# Altium PCB I2C_Jog_Controller.pcbdoc (part 4 of 6)
Units mm, origin at the board's own origin, x right, y up, seen from the top; angles counter-clockwise.
Board outline 94.01 x 162 mm, 4 copper layers (Top Layer, L1, L2, Bottom Layer), stack 1.606 mm thick; 147 components, 78 nets, 5389 pads, 241 vias.
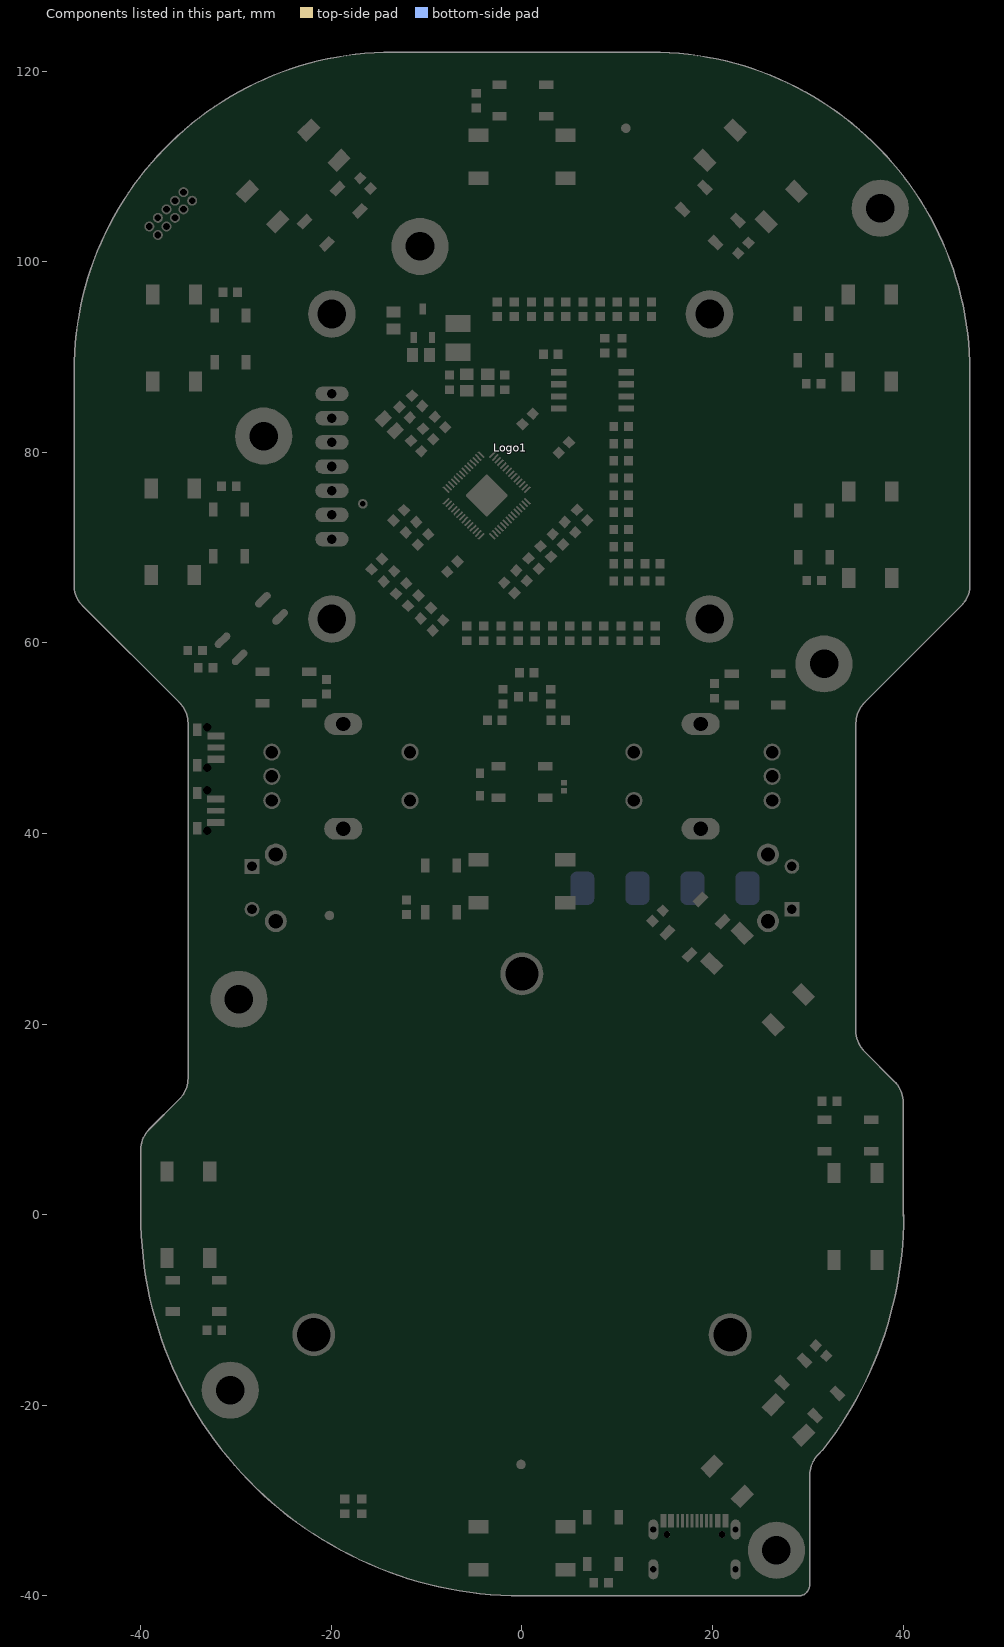
[diagram p6: the components of this part, seen from the top]

## Footprints (in the part's own frame and the unit in brackets; to place one, negate y for a bottom-side part, rotate by r counter-clockwise, add the part's x,y. Pads: shape width x height; smd on the part's side, far side on the other; paste and mask are expansions set on the pad) (continued)
Expatria-Logo [mil] "Expatria DXF logo" (continued)
  round 1.64 on Mech4: 1(-44849.01,-43612.15) 1(-44849.01,-43612.15) 1(-44848.55,-43605.44) 1(-44848.55,-43605.44) 1(-44848.1,-43612.6) 1(-44848.1,-43612.6) 1(-44847.68,-43603.66) 1(-44847.68,-43603.66) 1(-44846.77,-43598.28) 1(-44846.77,-43598.28) 1(-44845.44,-43611.69) 1(-44845.44,-43611.69) 1(-44844.53,-43592.89) 1(-44844.53,-43592.89) 1(-44844.08,-43589.78) 1(-44844.08,-43589.78) 1(-44842.3,-43586.18) 1(-44842.3,-43586.18) 1(-44841.84,-43608.13) 1(-44841.84,-43608.13) 1(-44841.84,-43583.95) 1(-44841.84,-43583.95) 1(-44841.39,-43606.77) 1(-44841.39,-43606.77) 1(-44840.52,-43606.31) 1(-44840.52,-43606.31) 1(-44840.06,-43604.98) 1(-44840.06,-43604.98) 1(-44838.73,-43603.66) 1(-44838.73,-43603.66) 1(-44838.73,-43577.69) 1(-44838.73,-43577.69) 1(-44838.28,-43602.29) 1(-44838.28,-43602.29) 1(-44837.37,-43572.76) 1(-44837.37,-43572.76) 1(-44836.92,-43600.97) 1(-44836.92,-43600.97) 1(-44836.04,-43570.98) 1(-44836.04,-43570.98) 1(-44835.59,-43568.75) 1(-44835.59,-43568.75) 1(-44835.13,-43596.95) 1(-44835.13,-43596.95) 1(-44834.26,-43566.51) 1(-44834.26,-43566.51) 1(-44834.26,-43596.49) 1(-44834.26,-43596.49) 1(-44833.81,-43595.13) 1(-44833.81,-43595.13) 1(-44833.81,-43564.27) 1(-44833.81,-43564.27) 1(-44832.9,-43594.71) 1(-44832.9,-43594.71) 1(-44832.9,-43418.9) 1(-44832.9,-43418.9) 1(-44832.44,-43593.35) 1(-44832.44,-43593.35) 1(-44832.44,-43408.17) 1(-44832.44,-43408.17) 1(-44831.57,-43431.87) 1(-44831.57,-43431.87) 1(-44831.57,-43406.85) 1(-44831.57,-43406.85) 1(-44831.12,-43559.8) 1(-44831.12,-43559.8) 1(-44831.12,-43592.02) 1(-44831.12,-43592.02) 1(-44830.66,-43557.56) 1(-44830.66,-43557.56) 1(-44830.66,-43433.68) 1(-44830.66,-43433.68) 1(-44830.66,-43590.66) 1(-44830.66,-43590.66) 1(-44830.21,-43437.7) 1(-44830.21,-43437.7) 1(-44830.21,-43406.39) 1(-44830.21,-43406.39) 1(-44829.79,-43407.26) 1(-44829.79,-43407.26) 1(-44829.33,-43589.33) 1(-44829.33,-43589.33) 1(-44828.88,-43407.26) 1(-44828.88,-43407.26) 1(-44828.88,-43441.72) 1(-44828.88,-43441.72) 1(-44827.97,-43552.64) 1(-44827.97,-43552.64) 1(-44827.55,-43585.31) 1(-44827.55,-43585.31) 1(-44827.55,-43550.4) 1(-44827.55,-43550.4) 1(-44826.64,-43410.41) 1(-44826.64,-43410.41) 1(-44826.64,-43454.23) 1(-44826.64,-43454.23) 1(-44826.19,-43583.95) 1(-44826.19,-43583.95) 1(-44825.73,-43582.62) 1(-44825.73,-43582.62) 1(-44825.73,-43412.65) 1(-44825.73,-43412.65) 1(-44825.31,-43412.65) 1(-44825.31,-43412.65) 1(-44824.41,-43581.29) 1(-44824.41,-43581.29) 1(-44824.41,-43460.52) 1(-44824.41,-43460.52) 1(-44823.95,-43579.93) 1(-44823.95,-43579.93) 1(-44823.95,-43415.79) 1(-44823.95,-43415.79) 1(-44823.5,-43415.79) 1(-44823.5,-43415.79) 1(-44823.08,-43542.36) 1(-44823.08,-43542.36) 1(-44823.08,-43418.03) 1(-44823.08,-43418.03) 1(-44822.62,-43578.6) 1(-44822.62,-43578.6) 1(-44822.62,-43540.13) 1(-44822.62,-43540.13) 1(-44822.62,-43418.03) 1(-44822.62,-43418.03) 1(-44822.17,-43577.24) 1(-44822.17,-43577.24) 1(-44822.17,-43470.8) 1(-44822.17,-43470.8) 1(-44821.71,-43421.14) 1(-44821.71,-43421.14) 1(-44821.26,-43421.14) 1(-44821.26,-43421.14) 1(-44820.84,-43575.91) 1(-44820.84,-43575.91) 1(-44820.39,-43574.58) 1(-44820.39,-43574.58) 1(-44819.93,-43425.61) 1(-44819.93,-43425.61) 1(-44819.48,-43425.61) 1(-44819.48,-43425.61) 1(-44819.02,-43427.85) 1(-44819.02,-43427.85) 1(-44818.6,-43427.85) 1(-44818.6,-43427.85) 1(-44817.7,-43570.98) 1(-44817.7,-43570.98) 1(-44817.24,-43431.87) 1(-44817.24,-43431.87) 1(-44817.24,-43569.65) 1(-44817.24,-43569.65) 1(-44817.24,-43529.85) 1(-44817.24,-43529.85) 1(-44816.79,-43431.87) 1(-44816.79,-43431.87) 1(-44816.37,-43486.91) 1(-44816.37,-43486.91) 1(-44816.37,-43434.1) 1(-44816.37,-43434.1) 1(-44815.91,-43490.02) 1(-44815.91,-43490.02) 1(-44815.91,-43434.1) 1(-44815.91,-43434.1) 1(-44815.46,-43436.34) 1(-44815.46,-43436.34) 1(-44815.01,-43566.51) 1(-44815.01,-43566.51) 1(-44815.01,-43526.71) 1(-44815.01,-43526.71) 1(-44815.01,-43436.34) 1(-44815.01,-43436.34) 1(-44814.55,-43438.58) 1(-44814.55,-43438.58) 1(-44814.55,-43492.71) 1(-44814.55,-43492.71) 1(-44814.13,-43564.27) 1(-44814.13,-43564.27) 1(-44814.13,-43524.47) 1(-44814.13,-43524.47) 1(-44814.13,-43438.58) 1(-44814.13,-43438.58) 1(-44814.13,-43495.85) 1(-44814.13,-43495.85) 1(-44813.22,-43563.82) 1(-44813.22,-43563.82) 1(-44813.22,-43442.17) 1(-44813.22,-43442.17) 1(-44812.77,-43562.49) 1(-44812.77,-43562.49) 1(-44812.77,-43442.17) 1(-44812.77,-43442.17) 1(-44812.31,-43444.41) 1(-44812.31,-43444.41) 1(-44811.9,-43444.41) 1(-44811.9,-43444.41) 1(-44811.44,-43561.16) 1(-44811.44,-43561.16) 1(-44811.44,-43502.56) 1(-44811.44,-43502.56) 1(-44811.44,-43446.65) 1(-44811.44,-43446.65) 1(-44810.99,-43518.67) 1(-44810.99,-43518.67) 1(-44810.99,-43504.8) 1(-44810.99,-43504.8) 1(-44810.99,-43559.8) 1(-44810.99,-43559.8) 1(-44810.99,-43446.65) 1(-44810.99,-43446.65) 1(-44810.53,-43448.89) 1(-44810.53,-43448.89) 1(-44810.08,-43448.89) 1(-44810.08,-43448.89) 1(-44809.66,-43451.12) 1(-44809.66,-43451.12) 1(-44809.2,-43451.12) 1(-44809.2,-43451.12) 1(-44809.2,-43558.02) 1(-44809.2,-43558.02) 1(-44809.2,-43508.36) 1(-44809.2,-43508.36) 1(-44808.75,-43556.69) 1(-44808.75,-43556.69) 1(-44808.75,-43453.36) 1(-44808.75,-43453.36) 1(-44808.75,-43515.52) 1(-44808.75,-43515.52) 1(-44808.75,-43510.6) 1(-44808.75,-43510.6) 1(-44808.3,-43453.36) 1(-44808.3,-43453.36) 1(-44807.84,-43513.29) 1(-44807.84,-43513.29) 1(-44807.42,-43555.33) 1(-44807.42,-43555.33) 1(-44807.42,-43512.83) 1(-44807.42,-43512.83) 1(-44807.42,-43456.47) 1(-44807.42,-43456.47) 1(-44806.97,-43456.47) 1(-44806.97,-43456.47) 1(-44806.97,-43554) 1(-44806.97,-43554) 1(-44806.51,-43458.7) 1(-44806.51,-43458.7) 1(-44806.06,-43458.7) 1(-44806.06,-43458.7) 1(-44805.6,-43552.64) 1(-44805.6,-43552.64) 1(-44805.19,-43461.85) 1(-44805.19,-43461.85) 1(-44804.73,-43550.4) 1(-44804.73,-43550.4) 1(-44804.73,-43461.85) 1(-44804.73,-43461.85) 1(-44803.82,-43549.98) 1(-44803.82,-43549.98) 1(-44803.37,-43548.62) 1(-44803.37,-43548.62) 1(-44802.95,-43465.41) 1(-44802.95,-43465.41) 1(-44801.59,-43546.84) 1(-44801.59,-43546.84) 1(-44801.13,-43471.7) 1(-44801.13,-43471.7) 1(-44801.13,-43545.51) 1(-44801.13,-43545.51) 1(-44800.71,-43471.7) 1(-44800.71,-43471.7) 1(-44800.26,-43545.05) 1(-44800.26,-43545.05) 1(-44800.26,-43473.94) 1(-44800.26,-43473.94) 1(-44799.81,-43543.69) 1(-44799.81,-43543.69) 1(-44799.8,-43473.94) 1(-44799.8,-43473.94) 1(-44798.9,-43543.27) 1(-44798.9,-43543.27) 1(-44798.48,-43541.91) 1(-44798.48,-43541.91) 1(-44797.57,-43541.45) 1(-44797.57,-43541.45) 1(-44797.11,-43540.13) 1(-44797.11,-43540.13) 1(-44795.79,-43539.22) 1(-44795.79,-43539.22) 1(-44794.88,-43483.76) 1(-44794.88,-43483.76) 1(-44794.42,-43486) 1(-44794.42,-43486) 1(-44794,-43486) 1(-44794,-43486) 1(-44793.1,-43488.69) 1(-44793.1,-43488.69) 1(-44791.77,-43546.84) 1(-44791.77,-43546.84) 1(-44790.4,-43486) 1(-44790.4,-43486) 1(-44789.95,-43484.67) 1(-44789.95,-43484.67) 1(-44788.17,-43481.52) 1(-44788.17,-43481.52) 1(-44786.84,-43480.2) 1(-44786.84,-43480.2) 1(-44786.39,-43478.83) 1(-44786.39,-43478.83) 1(-44785.48,-43558.93) 1(-44785.48,-43558.93) 1(-44785.06,-43560.26) 1(-44785.06,-43560.26) 1(-44784.6,-43477.5) 1(-44784.6,-43477.5) 1(-44784.15,-43476.18) 1(-44784.15,-43476.18) 1(-44783.24,-43475.72) 1(-44783.24,-43475.72) 1(-44782.82,-43474.36) 1(-44782.82,-43474.36) 1(-44782.82,-43563.4) 1(-44782.82,-43563.4) 1(-44782.37,-43564.73) 1(-44782.37,-43564.73) 1(-44781,-43566.06) 1(-44781,-43566.06) 1(-44780.58,-43567.42) 1(-44780.58,-43567.42) 1(-44780.13,-43471.7) 1(-44780.13,-43471.7) 1(-44779.68,-43470.34) 1(-44779.68,-43470.34) 1(-44779.22,-43568.75) 1(-44779.22,-43568.75) 1(-44778.77,-43570.11) 1(-44778.77,-43570.11) 1(-44778.35,-43516.85) 1(-44778.35,-43516.85) 1(-44777.89,-43570.53) 1(-44777.89,-43570.53) 1(-44777.89,-43516.85) 1(-44777.89,-43516.85) 1(-44777.89,-43467.23) 1(-44777.89,-43467.23) 1(-44777.44,-43571.89) 1(-44777.44,-43571.89) 1(-44776.99,-43519.09) 1(-44776.99,-43519.09) 1(-44776.53,-43519.09) 1(-44776.53,-43519.09) 1(-44776.11,-43514.62) 1(-44776.11,-43514.62) 1(-44776.11,-43465.87) 1(-44776.11,-43465.87) 1(-44775.66,-43513.29) 1(-44775.66,-43513.29) 1(-44775.66,-43464.54) 1(-44775.66,-43464.54) 1(-44775.2,-43522.23) 1(-44775.2,-43522.23) 1(-44775.2,-43575) 1(-44775.2,-43575) 1(-44774.75,-43576.37) 1(-44774.75,-43576.37) 1(-44774.75,-43522.23) 1(-44774.75,-43522.23) 1(-44773.88,-43524.47) 1(-44773.88,-43524.47) 1(-44773.88,-43511.96) 1(-44773.88,-43511.96) 1(-44773.42,-43577.69) 1(-44773.42,-43577.69) 1(-44773.42,-43524.47) 1(-44773.42,-43524.47) 1(-44773.42,-43510.6) 1(-44773.42,-43510.6) 1(-44772.97,-43579.06) 1(-44772.97,-43579.06) 1(-44772.51,-43526.71) 1(-44772.51,-43526.71) 1(-44772.06,-43526.71) 1(-44772.06,-43526.71) 1(-44771.64,-43580.38) 1(-44771.64,-43580.38) 1(-44771.64,-43509.27) 1(-44771.64,-43509.27) 1(-44771.18,-43581.71) 1(-44771.18,-43581.71) 1(-44771.18,-43507.91) 1(-44771.18,-43507.91) 1(-44771.18,-43460.52) 1(-44771.18,-43460.52) 1(-44771.18,-43528.94) 1(-44771.18,-43528.94) 1(-44770.73,-43459.16) 1(-44770.73,-43459.16) 1(-44770.73,-43528.94) 1(-44770.73,-43528.94) 1(-44770.28,-43582.17) 1(-44770.28,-43582.17) 1(-44769.82,-43583.53) 1(-44769.82,-43583.53) 1(-44769.82,-43531.18) 1(-44769.82,-43531.18) 1(-44769.4,-43531.18) 1(-44769.4,-43531.18) 1(-44768.95,-43583.95) 1(-44768.95,-43583.95) 1(-44768.95,-43532.51) 1(-44768.95,-43532.51) 1(-44768.95,-43506.13) 1(-44768.95,-43506.13) 1(-44768.95,-43457.83) 1(-44768.95,-43457.83) 1(-44768.49,-43532.51) 1(-44768.49,-43532.51) 1(-44768.49,-43456.47) 1(-44768.49,-43456.47) 1(-44768.49,-43585.31) 1(-44768.49,-43585.31) 1(-44768.49,-43504.8) 1(-44768.49,-43504.8) 1(-44768.04,-43533.87) 1(-44768.04,-43533.87) 1(-44767.59,-43533.87) 1(-44767.59,-43533.87) 1(-44767.59,-43585.76) 1(-44767.59,-43585.76) 1(-44767.17,-43535.2) 1(-44767.17,-43535.2) 1(-44767.17,-43587.09) 1(-44767.17,-43587.09) 1(-44766.71,-43535.2) 1(-44766.71,-43535.2) 1(-44766.71,-43455.14) 1(-44766.71,-43455.14) 1(-44766.26,-43536.56) 1(-44766.26,-43536.56) 1(-44766.26,-43453.81) 1(-44766.26,-43453.81) 1(-44765.8,-43588) 1(-44765.8,-43588) 1(-44765.8,-43536.56) 1(-44765.8,-43536.56) 1(-44765.35,-43589.33) 1(-44765.35,-43589.33) 1(-44765.35,-43537.89) 1(-44765.35,-43537.89) 1(-44764.93,-43537.89) 1(-44764.93,-43537.89) 1(-44764.02,-43451.99) 1(-44764.02,-43451.99) 1(-44763.57,-43590.66) 1(-44763.57,-43590.66) 1(-44763.57,-43450.67) 1(-44763.57,-43450.67) 1(-44763.11,-43592.02) 1(-44763.11,-43592.02) 1(-44763.11,-43541.04) 1(-44763.11,-43541.04) 1(-44762.69,-43541.04) 1(-44762.69,-43541.04) 1(-44761.78,-43542.82) 1(-44761.78,-43542.82) 1(-44761.33,-43593.35) 1(-44761.33,-43593.35) 1(-44761.33,-43542.82) 1(-44761.33,-43542.82) 1(-44760.88,-43544.15) 1(-44760.88,-43544.15) 1(-44760.88,-43594.71) 1(-44760.88,-43594.71) 1(-44760.46,-43544.15) 1(-44760.46,-43544.15) 1(-44759.55,-43545.93) 1(-44759.55,-43545.93) 1(-44759.09,-43596.04) 1(-44759.09,-43596.04) 1(-44759.09,-43545.93) 1(-44759.09,-43545.93) 1(-44758.64,-43597.37) 1(-44758.64,-43597.37) 1(-44758.64,-43547.29) 1(-44758.64,-43547.29) 1(-44758.22,-43547.29) 1(-44758.22,-43547.29) 1(-44757.31,-43549.07) 1(-44757.31,-43549.07) 1(-44756.86,-43598.73) 1(-44756.86,-43598.73) 1(-44756.86,-43549.07) 1(-44756.86,-43549.07) 1(-44756.4,-43600.06) 1(-44756.4,-43600.06) 1(-44756.4,-43550.4) 1(-44756.4,-43550.4) 1(-44756.4,-43493.16) 1(-44756.4,-43493.16) 1(-44755.98,-43491.83) 1(-44755.98,-43491.83) 1(-44755.98,-43550.4) 1(-44755.98,-43550.4) 1(-44755.07,-43552.22) 1(-44755.07,-43552.22) 1(-44754.62,-43552.22) 1(-44754.62,-43552.22) 1(-44754.17,-43553.55) 1(-44754.17,-43553.55) 1(-44753.75,-43553.55) 1(-44753.75,-43553.55) 1(-44753.75,-43489.6) 1(-44753.75,-43489.6) 1(-44752.84,-43555.33) 1(-44752.84,-43555.33) 1(-44752.38,-43555.33) 1(-44752.38,-43555.33) 1(-44752.38,-43489.14) 1(-44752.38,-43489.14) 1(-44751.06,-43556.69) 1(-44751.06,-43556.69) 1(-44751.06,-43487.36) 1(-44751.06,-43487.36) 1(-44750.6,-43558.02) 1(-44750.6,-43558.02) 1(-44750.15,-43558.02) 1(-44750.15,-43558.02) 1(-44749.69,-43486.91) 1(-44749.69,-43486.91) 1(-44748.36,-43559.8) 1(-44748.36,-43559.8) 1(-44748.36,-43435.47) 1(-44748.36,-43435.47) 1(-44747.91,-43561.16) 1(-44747.91,-43561.16) 1(-44747.46,-43561.16) 1(-44747.46,-43561.16) 1(-44747.04,-43435.01) 1(-44747.04,-43435.01) 1(-44745.22,-43481.98) 1(-44745.22,-43481.98) 1(-44743.89,-43481.52) 1(-44743.89,-43481.52) 1(-44742.98,-43430.54) 1(-44742.98,-43430.54) 1(-44742.98,-43565.64) 1(-44742.98,-43565.64) 1(-44742.56,-43566.96) 1(-44742.56,-43566.96) 1(-44742.56,-43479.74) 1(-44742.56,-43479.74) 1(-44742.11,-43566.97) 1(-44742.11,-43566.97) 1(-44741.66,-43430.08) 1(-44741.66,-43430.08) 1(-44741.2,-43479.29) 1(-44741.2,-43479.29) 1(-44739.87,-43616.62) 1(-44739.87,-43616.62) 1(-44739.87,-43428.3) 1(-44739.87,-43428.3) 1(-44739.42,-43477.05) 1(-44739.42,-43477.05) 1(-44738.51,-43617.08) 1(-44738.51,-43617.08) 1(-44738.51,-43427.85) 1(-44738.51,-43427.85) 1(-44738.09,-43476.59) 1(-44738.09,-43476.59) 1(-44737.18,-43618.86) 1(-44737.18,-43618.86) 1(-44737.18,-43426.07) 1(-44737.18,-43426.07) 1(-44735.86,-43619.31) 1(-44735.86,-43619.31) 1(-44735.86,-43425.61) 1(-44735.86,-43425.61) 1(-44735.4,-43473.94) 1(-44735.4,-43473.94) 1(-44734.04,-43621.55) 1(-44734.04,-43621.55) 1(-44734.04,-43473.49) 1(-44734.04,-43473.49) 1(-44734.04,-43423.37) 1(-44734.04,-43423.37) 1(-44733.62,-43472.58) 1(-44733.62,-43472.58) 1(-44732.71,-43621.97) 1(-44732.71,-43621.97) 1(-44732.71,-43422.92) 1(-44732.71,-43422.92) 1(-44732.25,-43472.12) 1(-44732.25,-43472.12) 1(-44731.38,-43623.79) 1(-44731.38,-43623.79) 1(-44731.38,-43421.14) 1(-44731.38,-43421.14) 1(-44730.47,-43579.06) 1(-44730.47,-43579.06) 1(-44730.02,-43624.21) 1(-44730.02,-43624.21) 1(-44730.02,-43420.68) 1(-44730.02,-43420.68) 1(-44729.57,-43579.06) 1(-44729.57,-43579.06) 1(-44729.57,-43469.47) 1(-44729.57,-43469.47) 1(-44729.15,-43625.57) 1(-44729.15,-43625.57) 1(-44728.24,-43469.01) 1(-44728.24,-43469.01) 1(-44728.24,-43418.9) 1(-44728.24,-43418.9) 1(-44727.78,-43626.02) 1(-44727.78,-43626.02) 1(-44727.78,-43581.29) 1(-44727.78,-43581.29) 1(-44727.33,-43626.89) 1(-44727.33,-43626.89) 1(-44726.91,-43418.45) 1(-44726.91,-43418.45) 1(-44726.91,-43581.29) 1(-44726.91,-43581.29) 1(-44726.45,-43467.23) 1(-44726.45,-43467.23) 1(-44726,-43627.35) 1(-44726,-43627.35) 1(-44725.55,-43628.26) 1(-44725.55,-43628.26) 1(-44725.09,-43466.78) 1(-44725.09,-43466.78) 1(-44725.09,-43416.67) 1(-44725.09,-43416.67) 1(-44724.67,-43583.95) 1(-44724.67,-43583.95) 1(-44724.22,-43628.68) 1(-44724.22,-43628.68) 1(-44723.76,-43583.95) 1(-44723.76,-43583.95) 1(-44723.76,-43416.21) 1(-44723.76,-43416.21) 1(-44723.31,-43464.99) 1(-44723.31,-43464.99) 1(-44722.85,-43630.04) 1(-44722.85,-43630.04) 1(-44721.98,-43464.54) 1(-44721.98,-43464.54) 1(-44721.98,-43414.43) 1(-44721.98,-43414.43) 1(-44721.98,-43586.18) 1(-44721.98,-43586.18) 1(-44721.53,-43630.5) 1(-44721.53,-43630.5) 1(-44721.07,-43586.18) 1(-44721.07,-43586.18) 1(-44720.2,-43631.82) 1(-44720.2,-43631.82) 1(-44720.2,-43587.55) 1(-44720.2,-43587.55) 1(-44720.2,-43462.76) 1(-44720.2,-43462.76) 1(-44719.29,-43587.55) 1(-44719.29,-43587.55) 1(-44718.84,-43588.42) 1(-44718.84,-43588.42) 1(-44718.84,-43462.3) 1(-44718.84,-43462.3) 1(-44718.38,-43461.39) 1(-44718.38,-43461.39) 1(-44717.96,-43588.42) 1(-44717.96,-43588.42) 1(-44717.96,-43632.73) 1(-44717.96,-43632.73) 1(-44717.05,-43589.78) 1(-44717.05,-43589.78) 1(-44717.05,-43412.19) 1(-44717.05,-43412.19) 1(-44716.6,-43634.06) 1(-44716.6,-43634.06) 1(-44716.15,-43589.78) 1(-44716.15,-43589.78) 1(-44715.73,-43590.66) 1(-44715.73,-43590.66) 1(-44715.27,-43634.51) 1(-44715.27,-43634.51) 1(-44715.27,-43460.07) 1(-44715.27,-43460.07) 1(-44715.27,-43410.41) 1(-44715.27,-43410.41) 1(-44714.82,-43590.66) 1(-44714.82,-43590.66) 1(-44713.91,-43635.84) 1(-44713.91,-43635.84) 1(-44713.91,-43458.7) 1(-44713.91,-43458.7) 1(-44713.91,-43592.02) 1(-44713.91,-43592.02) 1(-44713.04,-43592.02) 1(-44713.04,-43592.02) 1(-44712.58,-43592.89) 1(-44712.58,-43592.89) 1(-44712.58,-43458.28) 1(-44712.58,-43458.28) 1(-44712.58,-43636.3) 1(-44712.58,-43636.3) 1(-44712.13,-43457.38) 1(-44712.13,-43457.38) 1(-44712.13,-43409.08) 1(-44712.13,-43409.08) 1(-44711.67,-43592.89) 1(-44711.67,-43592.89) 1(-44710.8,-43594.26) 1(-44710.8,-43594.26) 1(-44709.89,-43594.26) 1(-44709.89,-43594.26) 1(-44709.44,-43638.53) 1(-44709.44,-43638.53) 1(-44709.44,-43595.13) 1(-44709.44,-43595.13) 1(-44709.02,-43455.59) 1(-44709.02,-43455.59) 1(-44708.56,-43406.85) 1(-44708.56,-43406.85) 1(-44708.56,-43595.13) 1(-44708.56,-43595.13) 1(-44708.11,-43638.99) 1(-44708.11,-43638.99) 1(-44708.11,-43596.04) 1(-44708.11,-43596.04) 1(-44707.2,-43596.04) 1(-44707.2,-43596.04) 1(-44706.78,-43596.95) 1(-44706.78,-43596.95) 1(-44706.78,-43454.69) 1(-44706.78,-43454.69) 1(-44705.87,-43596.95) 1(-44705.87,-43596.95) 1(-44705.42,-43453.36) 1(-44705.42,-43453.36) 1(-44705.42,-43405.03) 1(-44705.42,-43405.03) 1(-44705.42,-43597.82) 1(-44705.42,-43597.82) 1(-44704.96,-43641.22) 1(-44704.96,-43641.22) 1(-44704.55,-43597.82) 1(-44704.55,-43597.82) 1(-44704.09,-43598.73) 1(-44704.09,-43598.73) 1(-44703.18,-43598.73) 1(-44703.18,-43598.73) 1(-44702.31,-43451.57) 1(-44702.31,-43451.57) 1(-44701.85,-43600.06) 1(-44701.85,-43600.06) 1(-44700.94,-43600.06) 1(-44700.94,-43600.06) 1(-44699.16,-43449.76) 1(-44699.16,-43449.76) 1(-44696.93,-43449.34) 1(-44696.93,-43449.34) 1(-44696.47,-43645.7) 1(-44696.47,-43645.7) 1(-44694.23,-43646.15) 1(-44694.23,-43646.15) 1(-44693.36,-43647.02) 1(-44693.36,-43647.02) 1(-44691.12,-43647.48) 1(-44691.12,-43647.48) 1(-44691.12,-43397.45) 1(-44691.12,-43397.45) 1(-44689.31,-43648.81) 1(-44689.31,-43648.81) 1(-44688.89,-43444.87) 1(-44688.89,-43444.87) 1(-44687.07,-43649.26) 1(-44687.07,-43649.26) 1(-44686.65,-43444.41) 1(-44686.65,-43444.41) 1(-44686.2,-43396.08) 1(-44686.2,-43396.08) 1(-44685.74,-43608.13) 1(-44685.74,-43608.13) 1(-44685.74,-43443.5) 1(-44685.74,-43443.5) 1(-44684.42,-43608.13) 1(-44684.42,-43608.13) 1(-44683.96,-43651.04) 1(-44683.96,-43651.04) 1(-44683.51,-43394.3) 1(-44683.51,-43394.3) 1(-44682.6,-43609.46) 1(-44682.6,-43609.46) 1(-44682.18,-43442.63) 1(-44682.18,-43442.63) 1(-44681.27,-43609.46) 1(-44681.27,-43609.46) 1(-44680.36,-43610.37) 1(-44680.36,-43610.37) 1(-44679.03,-43610.37) 1(-44679.03,-43610.37) 1(-44678.58,-43440.81) 1(-44678.58,-43440.81) 1(-44676.8,-43611.69) 1(-44676.8,-43611.69) 1(-44676.34,-43653.73) 1(-44676.34,-43653.73) 1(-44675.89,-43392.06) 1(-44675.89,-43392.06) 1(-44675.47,-43611.69) 1(-44675.47,-43611.69) 1(-44671.87,-43613.48) 1(-44671.87,-43613.48) 1(-44671,-43438.58) 1(-44671,-43438.58) 1(-44670.54,-43613.48) 1(-44670.54,-43613.48) 1(-44668.76,-43656.42) 1(-44668.76,-43656.42) 1(-44667.85,-43614.84) 1(-44667.85,-43614.84) 1(-44667.85,-43388.95) 1(-44667.85,-43388.95) 1(-44667.4,-43436.79) 1(-44667.4,-43436.79) 1(-44666.07,-43614.84) 1(-44666.07,-43614.84) 1(-44665.16,-43615.71) 1(-44665.16,-43615.71) 1(-44663.83,-43615.71) 1(-44663.83,-43615.71) 1(-44663.83,-43388.5) 1(-44663.83,-43388.5) 1(-44662.92,-43435.92) 1(-44662.92,-43435.92) 1(-44660.69,-43616.62) 1(-44660.69,-43616.62) 1(-44660.23,-43434.56) 1(-44660.23,-43434.56) 1(-44659.81,-43386.72) 1(-44659.81,-43386.72) 1(-44656.67,-43617.95) 1(-44656.67,-43617.95) 1(-44656.21,-43659.57) 1(-44656.21,-43659.57) 1(-44654.43,-43617.95) 1(-44654.43,-43617.95) 1(-44653.1,-43618.86) 1(-44653.1,-43618.86) 1(-44653.1,-43432.78) 1(-44653.1,-43432.78) 1(-44652.2,-43659.99) 1(-44652.2,-43659.99) 1(-44651.29,-43385.35) 1(-44651.29,-43385.35) 1(-44650.87,-43618.86) 1(-44650.87,-43618.86) 1(-44649.05,-43619.73) 1(-44649.05,-43619.73) 1(-44649.05,-43432.32) 1(-44649.05,-43432.32) 1(-44646.4,-43619.73) 1(-44646.4,-43619.73) 1(-44645.03,-43430.99) 1(-44645.03,-43430.99) 1(-44644.58,-43620.64) 1(-44644.58,-43620.64) 1(-44643.7,-43662.22) 1(-44643.7,-43662.22) 1(-44642.8,-43383.12) 1(-44642.8,-43383.12) 1(-44642.34,-43620.64) 1(-44642.34,-43620.64) 1(-44640.56,-43621.55) 1(-44640.56,-43621.55) 1(-44639.23,-43430.54) 1(-44639.23,-43430.54) 1(-44638.32,-43621.55) 1(-44638.32,-43621.55) 1(-44636.99,-43429.63) 1(-44636.99,-43429.63) 1(-44636.54,-43622.42) 